# KiCad board meishi-trackball-charger.kicad_pcb
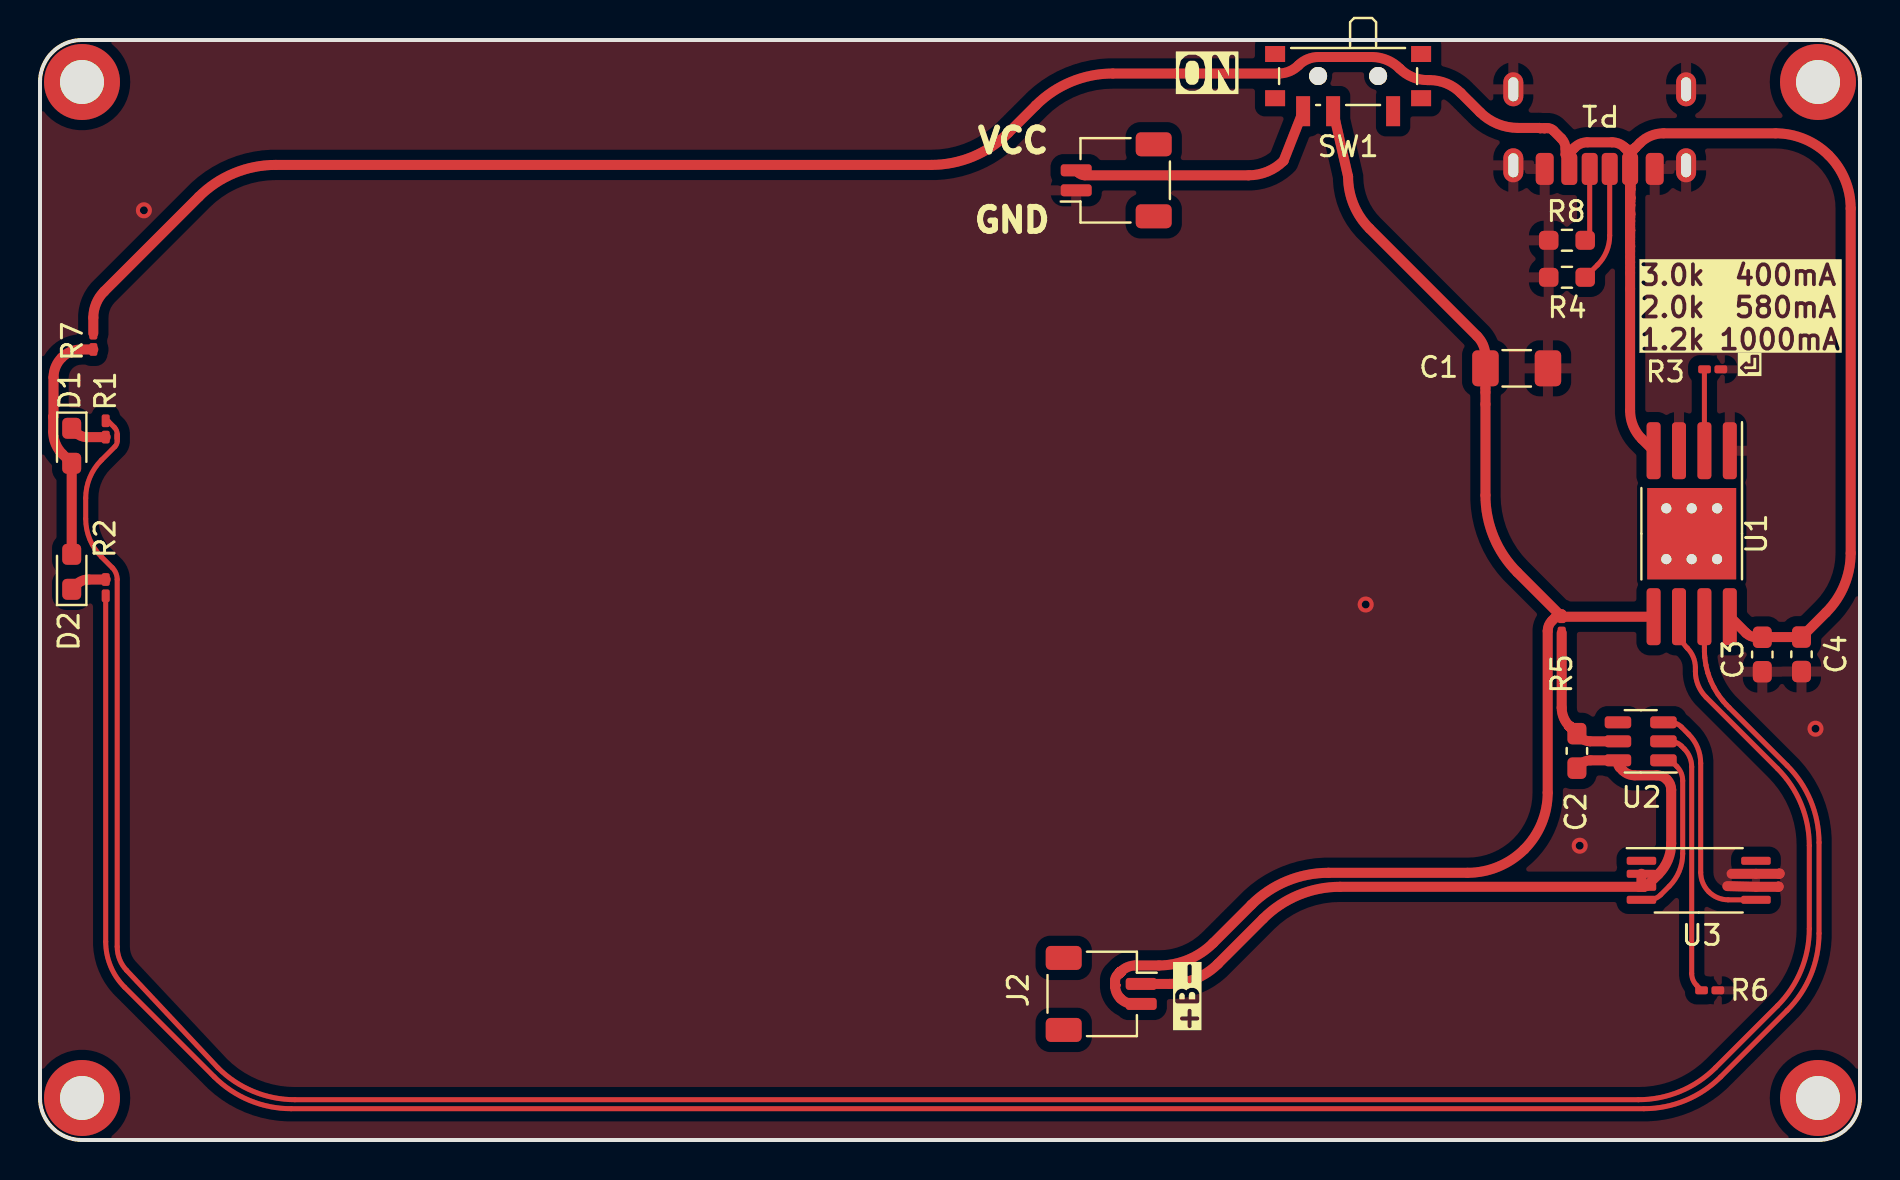
[diagram p0: board, top side]
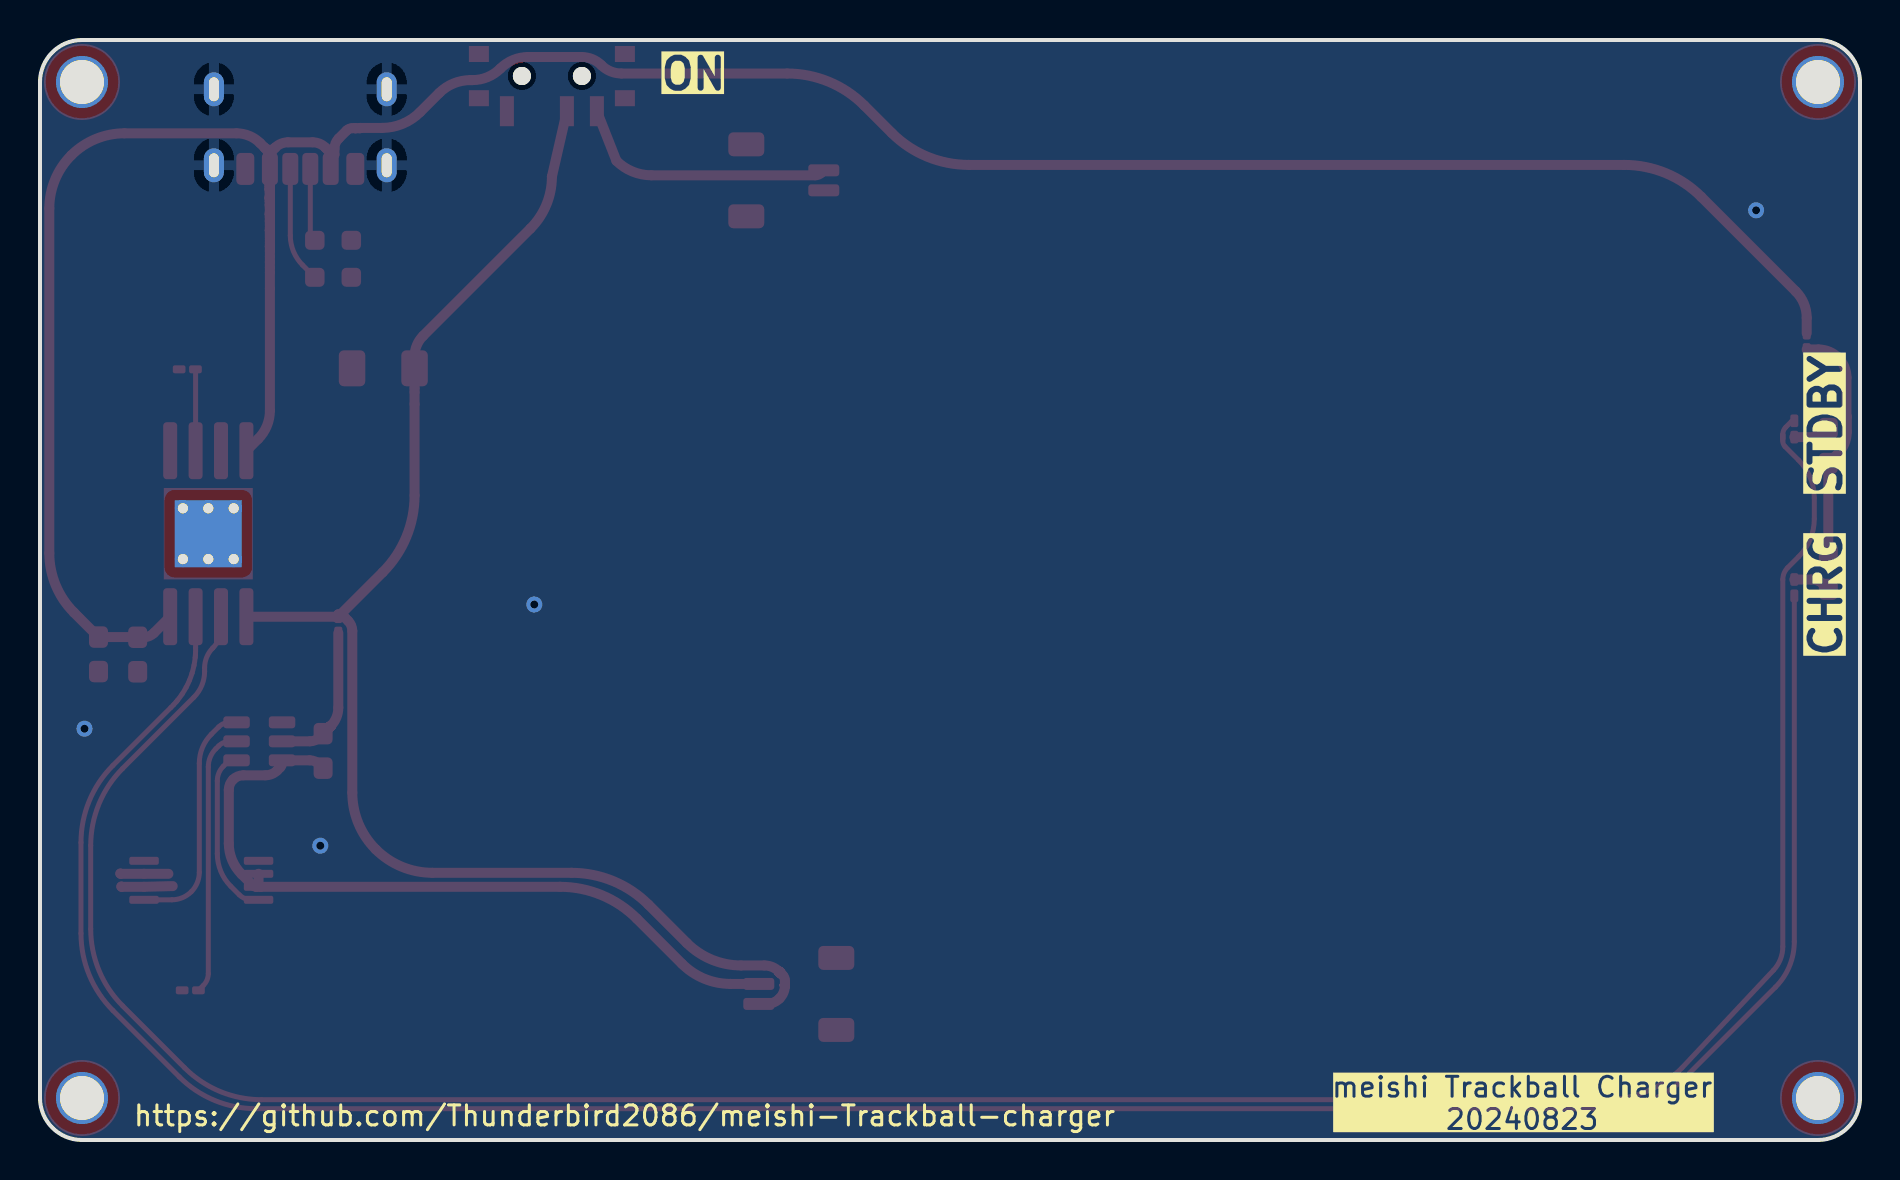
[diagram p1: board, bottom side, seen from below]

Outline 91 x 55 mm; copper layers: Top, Bottom. Coordinates in mm from the lower left corner of the outline.
Outline path: 0,52.9 0,2.1 arc(0.62,0.62) 2.1,0 88.9,0 arc(90.38,0.62) 91,2.1 91,52.9 arc(90.38,54.38) 88.9,55 2.1,55 arc(0.62,54.38) 0,52.9
Stack: Top 0.035mm / dielectric 1.51mm FR4 er 4.5 / Bottom 0.035mm

## Placement (name value [footprint] x y rotation side)
C1  10u  [C_1206_3216Metric_Pad1.33x1.80mm_HandSolder]  73.83 38.58 0 top
C2  0.1u  [C_0603_1608Metric_Pad1.08x0.95mm_HandSolder]  76.84 19.45 270 top
C3  0.1u  [C_0603_1608Metric_Pad1.08x0.95mm_HandSolder]  86.11 24.27 270 top
C4  0.1u  [C_0603_1608Metric_Pad1.08x0.95mm_HandSolder]  88.07 24.28 90 top
D1  LED-g  [LED_0603_1608Metric_Pad1.05x0.95mm_HandSolder]  1.58 34.71 270 top
D2  LED  [LED_0603_1608Metric_Pad1.05x0.95mm_HandSolder]  1.58 28.41 90 top
J1  Conn_01x02  [JST_SH_SM02B-SRSS-TB_1x02-1MP_P1.00mm_Horizontal]  53.81 47.98 90 top
J2  Conn_01x02_Socket  [JST_SH_SM02B-SRSS-TB_1x02-1MP_P1.00mm_Horizontal]  53.06 7.3 270 top
P1  USB_C_Receptacle_PowerOnly_6P  [USB-C-6P-C-31-M-17]  77.98 51.73 180 top
R1  1k  [R_0201_0603Metric_Pad0.64x0.40mm_HandSolder]  3.28 35.55 90 top
R2  1k  [R_0201_0603Metric_Pad0.64x0.40mm_HandSolder]  3.28 27.62 90 top
R3  1.2k  [R_0201_0603Metric_Pad0.64x0.40mm_HandSolder]  83.63 38.53 180 top
R4  5.1k  [R_0603_1608Metric_Pad0.98x0.95mm_HandSolder]  76.35 43.13 0 top
R5  100  [R_0201_0603Metric_Pad0.64x0.40mm_HandSolder]  76.08 25.76 90 top
R6  1k  [R_0201_0603Metric_Pad0.64x0.40mm_HandSolder]  83.48 7.48 180 top
R7  0  [R_0201_0603Metric_Pad0.64x0.40mm_HandSolder]  2.66 39.93 90 top
R8  5.1k  [R_0603_1608Metric_Pad0.98x0.95mm_HandSolder]  76.35 44.98 180 top
REF**  -  [MountingHole_2.2mm_M2_DIN965_Pad_TopOnly]  2.1 52.9 0 top
REF**#2  -  [MountingHole_2.2mm_M2_DIN965_Pad_TopOnly]  88.9 2.1 0 top
REF**#3  -  [MountingHole_2.2mm_M2_DIN965_Pad_TopOnly]  88.9 52.9 0 top
REF**#4  -  [MountingHole_2.2mm_M2_DIN965_Pad_TopOnly]  2.1 2.1 0 top
SW1  SW_SPDT  [SW_SPDT_PCM12]  65.4 52.87 180 top
U1  TP4056  [SOP-8-1EP_4.57x4.57mm_P1.27mm_EP4.57x4.45mm_ThermalVias]  82.58 30.31 270 top
U2  DW01A  [SOT-23-6]  80.03 19.93 180 top
U3  FS8205A  [TSSOP-8_4.4x3mm_P0.65mm]  82.93 12.98 0 top

## Library data of the parts
C1-C4 = -: ki_fp_filters: C_*
D1 D2 = -: ki_fp_filters: LED* LED_SMD:* LED_THT:*
J1 J2 = -: ki_fp_filters: Connector*:*_1x??_*
P1 = -: Datasheet: https://www.usb.org/sites/default/files/documents/usb_type-c.zip; ki_fp_filters: USB*C*Receptacle*
R1-R8 = -: ki_fp_filters: R_*
SW1 = -: Description: Switch, single pole double throw
U1 = -: Datasheet: https://datasheet.lcsc.com/szlcsc/1906261508_Nanjing-Extension-Microelectronics-TP4056-42-ESOP8_C16581.pdf; LCSC: C16581
U2 = -: Datasheet: https://datasheet.lcsc.com/szlcsc/Fortune-Semicon-DW01A-G_C61503.pdf; LCSC: C61503
U3 = -: Datasheet: http://www.mpu51.com/mcucity/DATA_PDF/FS8205A-DS-12_EN.pdf; LCSC: C32254

## Footprints (pads in the part's own frame, mm; a bottom-side part is the same pattern mirrored in y, then rotated)
C_0603_1608Metric_Pad1.08x0.95mm_HandSolder
  rrect 1.075x0.95 smd: 1(-0.863,0) 2(0.863,0)
C_1206_3216Metric_Pad1.33x1.80mm_HandSolder
  rrect 1.325x1.8 smd: 1(-1.562,0) 2(1.562,0)
JST_SH_SM02B-SRSS-TB_1x02-1MP_P1.00mm_Horizontal
  rrect 0.6x1.55 smd: 1(-0.5,2) 2(0.5,2)
  rrect 1.2x1.8 smd: MP(-1.8,-1.875) MP(1.8,-1.875)
LED_0603_1608Metric_Pad1.05x0.95mm_HandSolder
  rrect 1.05x0.95 smd: 1(-0.875,0) 2(0.875,0)
MountingHole_2.2mm_M2_DIN965_Pad_TopOnly
  round 2.6 hole 2.2: 1(0,0)
  round 3.8 smd: 1(0,0)
R_0201_0603Metric_Pad0.64x0.40mm_HandSolder
  rrect 0.458x0.36 smd: (-0.432,0) (0.432,0)
  rrect 0.635x0.4 smd: 1(-0.407,0) 2(0.407,0)
R_0603_1608Metric_Pad0.98x0.95mm_HandSolder
  rrect 0.975x0.95 smd: 1(-0.912,0) 2(0.912,0)
SOP-8-1EP_4.57x4.57mm_P1.27mm_EP4.57x4.45mm_ThermalVias
  rrect 1.91x1.86 smd: (-1.14,1.11) (-1.14,-1.11) (1.14,1.11) (1.14,-1.11)
  rrect 2.85x0.7 smd: 1(-4.15,1.905) 2(-4.15,0.635) 3(-4.15,-0.635) 4(-4.15,-1.905) 5(4.15,-1.905) 6(4.15,-0.635) 7(4.15,0.635) 8(4.15,1.905)
  round 0.81 hole 0.51: 9(-1.27,1.27) 9(-1.27,0) 9(-1.27,-1.27) 9(1.27,1.27) 9(1.27,0) 9(1.27,-1.27)
  rect 3.35x3.35 smd far side: 9(0,0)
  rect 4.57x4.45 smd: 9(0,0)
SOT-23-6
  rrect 1.325x0.6 smd: 1(-1.137,0.95) 2(-1.137,0) 3(-1.137,-0.95) 4(1.137,-0.95) 5(1.137,0) 6(1.137,0.95)
SW_SPDT_PCM12
  rect 1x0.8 smd: (-3.65,0.78) (-3.65,-1.43) (3.65,0.78) (3.65,-1.43)
  round 0.9 hole 0.9 unplated: (-1.5,-0.33) (1.5,-0.33)
  rect 0.7x1.5 smd: 1(-2.25,1.43) 2(0.75,1.43) 3(2.25,1.43)
TSSOP-8_4.4x3mm_P0.65mm
  rrect 1.475x0.4 smd: 1(-2.862,0.975) 2(-2.862,0.325) 3(-2.862,-0.325) 4(-2.862,-0.975) 5(2.862,-0.975) 6(2.862,-0.325) 7(2.862,0.325) 8(2.862,0.975)
USB-C-6P-C-31-M-17
  rrect 0.8x1.6 smd: A5(-0.5,3.18) A9(1.52,3.18) B5(0.5,3.18) B9(-1.52,3.18)
  rrect 0.9x1.6 smd: A12(2.75,3.18) B12(-2.75,3.18)
  oval 1x1.7 hole 0.5x1.2: S1(-4.32,3) S1(-4.32,-0.8) S1(4.32,3) S1(4.32,-0.8)

## Nets
GND: C1.2 C3.2 C4.1 J1.1 P1.A12 P1.B12 P1.S1 R3.1 R4.1 R6.1 R8.2 U1.1 U1.3 U3.6 U3.7
VCC: C3.1 C4.2 P1.A9 P1.B9 R7.2 U1.4 U1.8
BAT+: C1.1 J2.2 R5.2 SW1.2 U1.5
BAT-: C2.2 J2.1 U2.6 U3.2 U3.3
Net-(D1-A): D1.2 D2.2 R7.1
Net-(D1-K): D1.1 R1.1
Net-(D2-K): D2.1 R2.2
Net-(J1-Pin_2): J1.2 SW1.3
Net-(P1-CC1): P1.A5 R4.2
Net-(P1-CC2): P1.B5 R8.1
Net-(U1-CHRG): R2.1 U1.7
Net-(U1-PROG): R3.2 U1.2
Net-(U1-STDBY): R1.2 U1.6
Net-(U2-CSI): R6.2 U2.2
Net-(U2-OC): U2.3 U3.5
Net-(U2-OD): U2.1 U3.4
Net-(U2-VDD): C2.1 R5.1 U2.5

Pads without a net: J1 MP; J2 MP; REF** 1; REF**#2 1; REF**#3 1; REF**#4 1; SW1 1; U1 9; U2 4; U3 1 8

## Via types
v1: diameter 0.8, hole 0.4, Top to Bottom, 4 vias

## Routing (per net, layer and track width the routed paths; a pad name or vN(x,y) marks a point on that pad's centre or on a via; arc(x,y) is an arc through that point)
GND: length 5
  Top w0.5: 84.36,12.69 U3.6 86.91,12.66 arc(86.92,12.66) 86.93,12.67 86.93,12.67 ; 86.98,13.32 86.98,13.32 arc(86.97,13.31) 86.96,13.31 U3.7 84.58,13.31
  vias: v1(5.19,46.48) v1(66.28,26.77) v1(76.98,14.71) v1(88.77,20.56)
VCC: length 141.6
  Top w0.5: U1.8 85.31,25.35 arc(85.54,25.19) 85.82,25.14 86.11,25.14 arc(86.11,25.14) 86.12,25.14 arc(86.13,25.15) 86.13,25.15 C4.2 89.3,26.38 arc(90.22,27.74) 90.53,29.35 90.53,46.58 arc(90.25,48.02) 89.43,49.23 arc(88.22,50.05) 86.78,50.33 81.18,50.33 arc(80.54,50.21) 79.99,49.84 79.77,49.62 ; R7.2 2.66,41.11 arc(2.81,41.83) 3.21,42.43 7.94,47.16 arc(9.71,48.34) 11.79,48.75 44.56,48.75 arc(46.64,49.17) 48.41,50.35 49.79,51.73 arc(51.56,52.91) 53.64,53.32 61.93,53.32 arc(62.47,53.43) 62.93,53.74 arc(63.38,54.04) 63.92,54.15 66.59,54.15 arc(67.34,54) 67.98,53.57 arc(68.62,53.15) 69.38,52.99 69.48,52.99 arc(70.33,52.83) 71.04,52.35 72,51.39 arc(72.87,50.81) 73.89,50.6 74.98,50.6 arc(74.99,50.6) 75,50.59 75.22,50.59 arc(75.23,50.59) 75.23,50.59 arc(75.23,50.59) 75.23,50.59 75.39,50.59 arc(75.54,50.56) 75.66,50.48 76.07,50.07 arc(76.22,49.84) 76.28,49.57 76.28,49.27 arc(76.42,49.07) 76.46,48.82 P1.A9 ; U1.4 80.09,35.05 arc(79.66,35.7) 79.5,36.47 P1.B9 79.5,48.98 ; 79.77,49.62 arc(79.5,49.51) 79.24,49.62 ; 79.77,49.62 arc(79.57,49.33) 79.5,48.98 ; 79.5,48.98 arc(79.44,49.33) 79.24,49.62 ; 79.24,49.62 arc(78.95,49.82) 78.6,49.88 77.37,49.88 arc(77.02,49.82) 76.73,49.62 76.68,49.57 arc(76.52,49.33) 76.46,49.05
BAT+: length 71.4
  Top w0.5: 75.96,26.16 76.2,26.16 ; 75.96,26.16 75.88,26.16 arc(75.81,26.15) 75.74,26.11 75.59,25.96 arc(75.44,25.73) 75.38,25.45 75.38,17.36 arc(75.08,15.83) 74.21,14.53 arc(72.91,13.66) 71.38,13.36 64.42,13.36 arc(62.34,12.95) 60.58,11.77 58.66,9.85 arc(57.42,9.02) 55.95,8.73 54.78,8.73 arc(54.39,8.65) 54.05,8.43 54.05,8.43 arc(54.05,8.43) 54.05,8.43 54.05,8.42 arc(54.05,8.42) 54.05,8.42 arc(54.05,8.42) 54.05,8.42 arc(54.05,8.42) 54.05,8.42 54.05,8.42 arc(54.05,8.42) 54.05,8.42 arc(54.04,8.42) 54.04,8.42 54.04,8.41 arc(54.04,8.41) 54.04,8.41 54.03,8.4 arc(54.03,8.4) 54.03,8.4 54.03,8.4 arc(54.03,8.4) 54.03,8.4 arc(54.03,8.4) 54.03,8.4 54.02,8.4 arc(54.02,8.39) 54.02,8.39 54.02,8.39 arc(54.02,8.39) 54.02,8.39 54.02,8.39 arc(54.02,8.39) 54.01,8.39 53.86,8.23 arc(53.78,8.12) 53.75,7.98 53.75,7.73 arc(53.83,7.37) 54.02,7.07 arc(54.32,6.88) 54.68,6.8 J2.2 ; 75.96,26.16 arc(76.05,26.2) 76.08,26.28 arc(76.12,26.2) 76.2,26.16 ; 76.2,26.16 U1.5 ; R5.2 73.87,28.38 arc(72.69,30.15) 72.27,32.23 C1.1 72.27,39.18 arc(72.16,39.73) 71.85,40.2 66.48,45.57 arc(65.68,46.76) 65.4,48.16 SW1.2
BAT-: length 38.6
  Top w0.5: 80.07,12.77 U3.2 ; 80.07,12.77 arc(80.1,12.69) 80.18,12.66 ; 80.07,12.77 arc(80.04,12.69) 79.96,12.66 ; 80.18,12.66 79.96,12.66 ; 80.18,12.66 arc(80.28,12.68) 80.37,12.74 80.93,13.29 arc(81.39,14) 81.56,14.83 81.56,17.51 arc(81.5,17.79) 81.35,18.02 arc(81.11,18.18) 80.83,18.23 79.73,18.23 arc(79.41,18.3) 79.14,18.48 78.99,18.63 arc(78.92,18.73) 78.9,18.85 arc(78.86,18.95) 78.77,18.98 77.51,18.98 arc(77.26,18.93) 77.04,18.79 C2.2 ; 79.96,12.66 65,12.66 arc(62.92,12.25) 61.16,11.07 58.9,8.81 arc(57.79,8.07) 56.48,7.8 J2.1
Net-(D1-A): length 11.9
  Top w0.5: D2.2 1.58,33.51 arc(1.52,33.81) 1.35,34.07 1.12,34.3 arc(0.78,34.81) 0.66,35.41 0.66,36.15 arc(0.66,36.16) 0.67,36.17 arc(0.67,36.18) 0.67,36.19 0.67,38.12 arc(0.78,38.66) 1.09,39.12 arc(1.54,39.42) 2.08,39.53 R7.1
Net-(D1-K): length 1.8
  Top w0.5: R1.1 2.34,35.14 arc(2.05,35.2) 1.8,35.36 D1.1
Net-(D2-K): length 1.9
  Top w0.5: D2.1 1.83,27.78 arc(2.1,27.96) 2.42,28.02 R2.2
Net-(J1-Pin_2): length 13.3
  Top w0.5: J1.2 51.93,48.36 arc(52.07,48.27) 52.24,48.23 60.43,48.23 arc(61.38,48.42) 62.18,48.96 SW1.3
Net-(P1-CC1): length 5.8
  Top w0.25: R4.2 77.87,43.75 arc(78.33,44.43) 78.48,45.23 P1.A5
Net-(P1-CC2): length 3.6
  Top w0.25: R8.1 77.37,45.1 arc(77.46,45.22) 77.48,45.37 P1.B5
Net-(U1-CHRG): length 129.1
  Top w0.25: U1.7 83.22,24.61 arc(83.22,24.51) 83.22,24.41 arc(83.22,24.32) 83.23,24.22 83.24,24.12 arc(83.27,23.93) 83.3,23.73 arc(83.34,23.54) 83.39,23.36 arc(83.46,23.17) 83.53,22.99 arc(83.61,22.81) 83.69,22.63 arc(83.79,22.46) 83.89,22.3 arc(84.01,22.14) 84.13,21.98 84.19,21.91 arc(84.25,21.83) 84.32,21.76 arc(84.39,21.69) 84.46,21.62 87.36,18.72 arc(88.54,16.96) 88.95,14.87 88.95,10.33 arc(88.54,8.24) 87.36,6.48 84.04,3.16 arc(82.27,1.98) 80.19,1.56 12.56,1.56 arc(10.48,1.98) 8.71,3.16 4.23,7.64 arc(3.53,8.69) 3.28,9.92 R2.1
Net-(U1-PROG): length 4.1
  Top w0.25: R3.2 83.22,38.53 arc(83.22,38.53) 83.22,38.52 U1.2
Net-(U1-STDBY): length 137.8
  Top w0.25: R1.2 3.34,35.96 arc(3.39,35.95) 3.43,35.92 3.72,35.63 arc(3.82,35.48) 3.86,35.29 3.86,34.94 arc(3.83,34.8) 3.75,34.67 3.07,34 arc(2.49,33.12) 2.28,32.09 2.28,31.06 arc(2.49,30.03) 3.07,29.16 3.61,28.62 arc(3.8,28.34) 3.86,28.02 3.86,9.66 arc(3.98,9.03) 4.32,8.49 8.9,3.61 arc(10.66,2.43) 12.75,2.01 79.92,2.01 arc(82,2.43) 83.77,3.61 86.87,6.71 arc(88.05,8.48) 88.46,10.56 88.46,14.72 arc(88.05,16.81) 86.87,18.57 83.31,22.14 arc(82.91,22.73) 82.77,23.43 82.77,23.61 arc(82.66,24.15) 82.36,24.6 82.36,24.6 arc(82.06,25.05) 81.95,25.59 U1.6
Net-(U2-CSI): length 13.5
  Top w0.25: U2.2 81.5,19.93 arc(81.81,19.87) 82.07,19.7 82.21,19.56 arc(82.49,19.14) 82.58,18.65 82.58,8.33 arc(82.65,8) 82.83,7.73 R6.2
Net-(U2-OC): length 12.1
  Top w0.25: U3.5 84.41,12.01 arc(83.88,12.11) 83.44,12.41 arc(83.14,12.86) 83.03,13.38 83.03,18.84 arc(82.88,19.62) 82.43,20.28 82.07,20.65 arc(81.81,20.82) 81.5,20.88 U2.3
Net-(U2-OD): length 8.7
  Top w0.25: U3.4 80.43,12.01 arc(80.76,12.08) 81.04,12.26 81.46,12.68 arc(81.96,13.43) 82.13,14.31 82.13,17.96 arc(82.06,18.35) 81.83,18.68 81.66,18.86 arc(81.52,18.95) 81.35,18.98 U2.1
Net-(U2-VDD): length 7.5
  Top w0.5: U2.5 77.5,19.93 arc(77.25,19.98) 77.04,20.13 76.47,20.7 arc(76.18,21.12) 76.08,21.61 R5.1

## Copper pours and planes (outline as drawn; the poured copper is in the pictures)
GND on Top, Bottom: -0.27,55.46 -0.27,-0.67 91.63,-0.72 91.58,55.53

## Text on the board
B.Silkscreen: https://github.com/Thunderbird2086/meishi-Trackball-charger | meishi Trackball Charger / 20240823 | ON | STDBY | CHRG
F.Silkscreen: ⏎ | 3.0k  400mA / 2.0k  580mA / 1.2k 1000mA | +B- | GND | VCC | ON
